# Allegro board SDHCalFEB20180110.brd (continued)
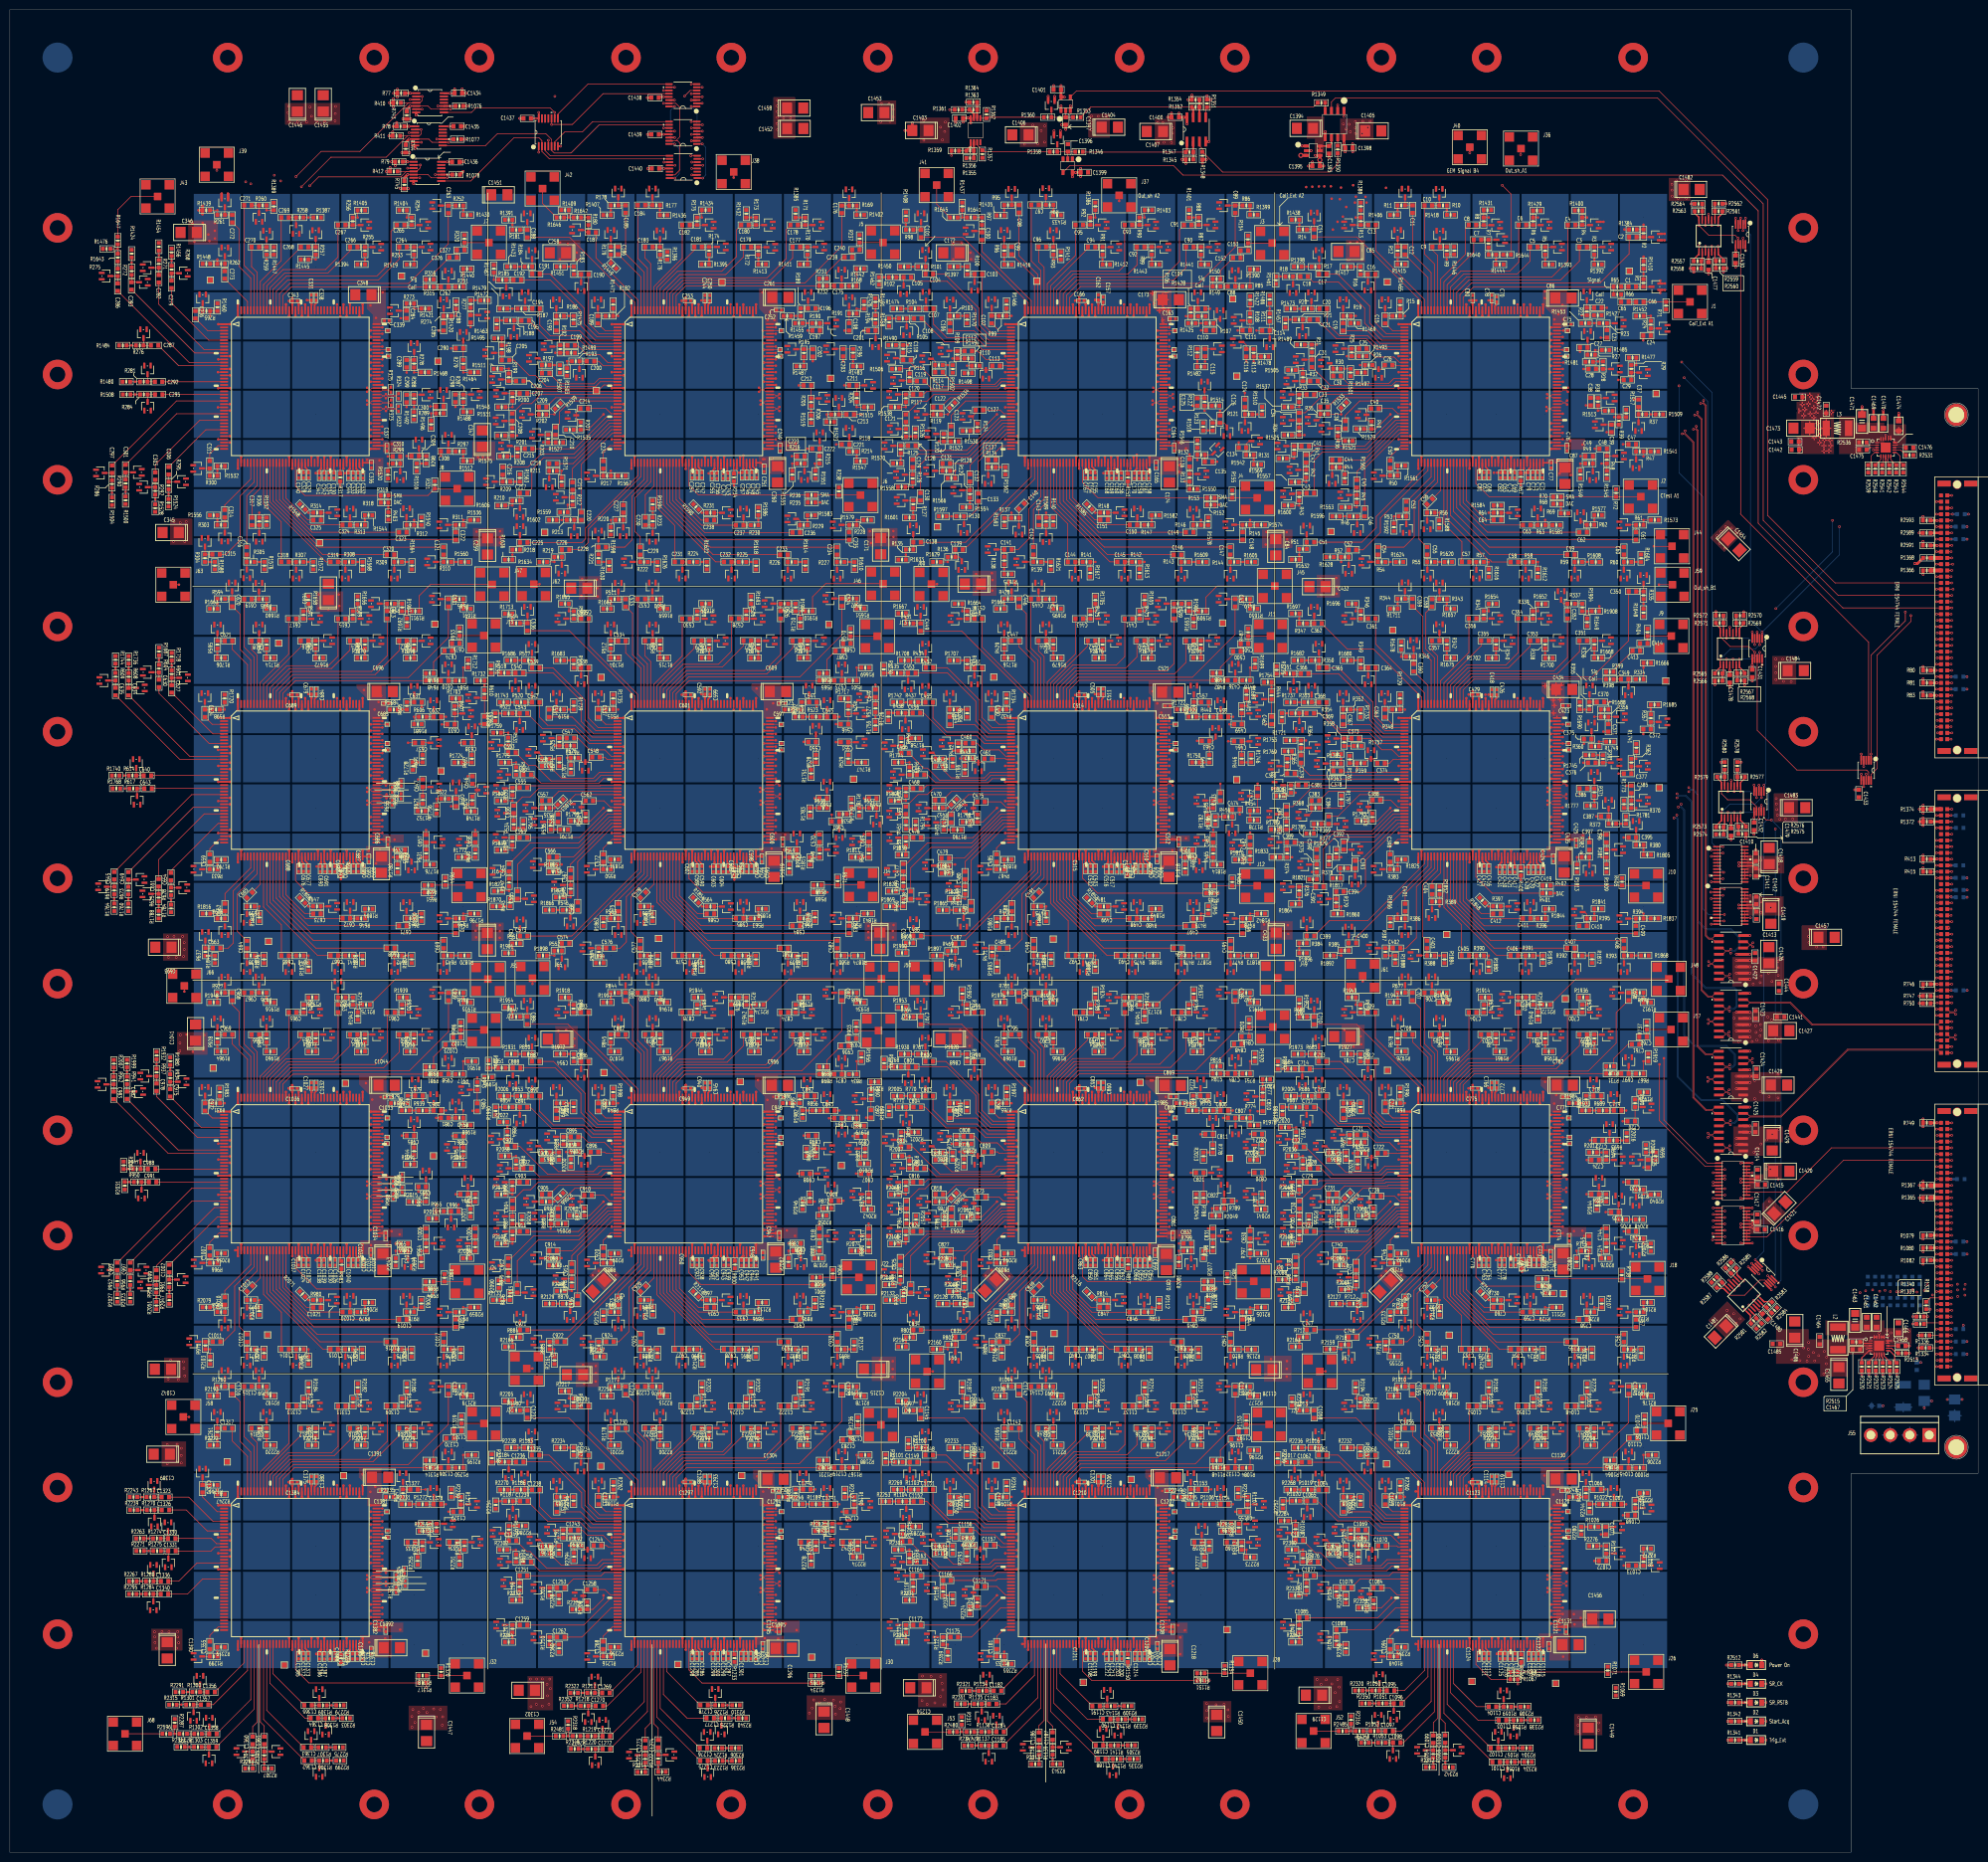
[diagram p0: board, top side]
## Routing (per net, layer and track width the routed paths; a pad name or vN(x,y) marks a point on that pad's centre or on a via; arc(x,y) is an arc through that point) (continued)
ANALOGIN22_ASIC_A2: length 45.2
  TOP w0.127: v1(244.07,313.65) C109.2 ; v1(204.76,304.67) U130.10
  GND1 w0.127: v1(244.07,313.65) v2(243.33,313.65) ; v1(204.76,304.67) v2(205.5,304.67)
  SIG3 w0.127: v2(205.5,304.67) 211.37,310.54 240.22,310.54 v2(243.33,313.65)
ANALOGIN22_ASIC_A3: length 45.9
  TOP w0.127: C196.2 v1(164.8,313.73) ; v1(124.75,304.67) U195.10
  GND1 w0.127: v1(164.8,313.73) v2(164.06,313.73) ; v1(124.75,304.67) v2(125.49,304.67)
  SIG3 w0.127: v2(125.49,304.67) 131.31,310.49 146.46,310.49 149.69,313.73 v2(164.06,313.73)
ANALOGIN22_ASIC_A4: length 24.1
  TOP w0.127: U260.10 37.61,304.67 C283.2
ANALOGIN22_ASIC_B1: length 46.6
  TOP w0.127: C370.2 v1(325.33,233.75) ; v1(284.77,224.66) U325.10
  GND1 w0.127: v1(284.77,224.66) v2(285.51,224.66) ; v1(325.33,233.75) v2(324.59,233.75)
  SIG3 w0.127: v2(285.51,224.66) 291.72,230.86 319.94,230.86 322.83,233.75 v2(324.59,233.75)
ANALOGIN22_ASIC_B5: length 44.5
  TOP w0.127: v1(204.77,224.66) 203.58,224.66 U390.10 ; C457.2 v1(243.79,232.82)
  GND1 w0.127: v1(204.77,224.66) v2(205.51,224.66) ; v1(243.79,232.82) v2(243.05,232.82)
  SIG3 w0.127: v2(243.05,232.82) 241.91,232.82 240.51,231.42 228.37,231.42 221.61,224.66 v2(205.51,224.66)
ANALOGIN22_ASIC_B6: length 44.8
  TOP w0.127: C544.2 v1(164.06,232.77) ; U455.10 123.57,224.66 v1(124.75,224.66)
  GND1 w0.127: v1(124.75,224.66) v2(125.49,224.66) ; v1(164.06,232.77) v2(163.32,232.77)
  SIG3 w0.127: v2(125.49,224.66) 137.71,224.66 144.35,231.29 160.5,231.29 161.98,232.77 v2(163.32,232.77)
ANALOGIN22_ASIC_B7: length 44.5
  TOP w0.127: v1(44.74,224.66) U520.10 ; C631.2 v1(83.74,232.74)
  GND1 w0.127: v2(83.01,232.74) v1(83.74,232.74) ; v1(44.74,224.66) v2(45.48,224.66)
  SIG3 w0.127: v2(83.01,232.74) 82.96,232.69 81.61,232.69 80.26,231.34 64.97,231.34 58.29,224.66 v2(45.48,224.66)
ANALOGIN22_ASIC_C1: length 44.3
  TOP w0.127: v1(284.78,144.65) U585.10 ; C718.2 v1(323.55,152.76)
  GND1 w0.127: v1(323.55,152.76) v2(322.81,152.76) ; v2(285.51,144.65) v1(284.78,144.65)
  SIG3 w0.127: v2(285.51,144.65) 301.62,144.65 308.33,151.36 320.09,151.36 321.49,152.76 v2(322.81,152.76)
ANALOGIN22_ASIC_C2: length 44.4
  TOP w0.127: v1(204.76,144.65) U650.10 ; C805.2 v1(243.64,152.68)
  GND1 w0.127: v1(243.64,152.68) v2(242.95,152.68) ; v1(204.76,144.65) v2(205.5,144.65)
  SIG3 w0.127: v2(205.5,144.65) 217.7,144.65 224.36,151.31 240.41,151.31 241.78,152.68 v2(242.95,152.68)
ANALOGIN22_ASIC_C3: length 44.4
  TOP w0.127: C892.2 v1(163.65,152.76) ; v1(124.75,144.65) U715.10
  GND1 w0.127: v1(163.65,152.76) v2(162.89,152.76) ; v1(124.75,144.65) v2(125.49,144.65)
  SIG3 w0.127: v2(162.89,152.76) 161.82,152.76 160.5,151.43 146.33,151.43 139.54,144.65 v2(125.49,144.65)
ANALOGIN22_ASIC_C4: length 44.7
  TOP w0.127: C979.2 v1(83.95,152.78) ; v1(44.74,144.65) U780.10
  GND1 w0.127: v2(45.48,144.65) v1(44.74,144.65) ; v2(83.21,152.78) v1(83.95,152.78)
  SIG3 w0.127: v2(45.48,144.65) 60.02,144.65 66.75,151.38 80.95,151.38 82.35,152.78 v2(83.21,152.78)
ANALOGIN22_ASIC_D1: length 45.6
  TOP w0.127: v1(284.78,64.64) U845.10 ; C1066.2 v1(324.49,73.72)
  GND1 w0.127: v2(285.51,64.64) v1(284.78,64.64) ; v1(324.49,73.72) v2(323.75,73.72)
  SIG3 w0.127: v2(323.75,73.72) 322.69,73.72 320.27,71.3 315.04,71.3 312.93,69.19 290.06,69.19 v2(285.51,64.64)
ANALOGIN22_ASIC_D2: length 45.6
  TOP w0.127: v1(204.76,64.64) U910.10 ; C1153.2 v1(244.28,73.72)
  GND1 w0.127: v1(244.28,73.72) v2(243.19,73.72) ; v1(204.76,64.64) v2(205.5,64.64)
  SIG3 w0.127: v2(243.19,73.72) 242.46,73.72 240.18,71.45 235.59,71.45 234.05,69.92 211.36,69.92 206.08,64.64 v2(205.5,64.64)
ANALOGIN22_ASIC_D3: length 45.1
  TOP w0.127: v1(124.75,64.64) U975.10 ; C1240.2 v1(163.78,73.72)
  GND1 w0.127: v1(163.78,73.72) v2(163.04,73.72) ; v1(124.75,64.64) v2(125.49,64.64)
  SIG3 w0.127: v2(163.04,73.72) 162.66,73.34 162.66,73.16 162.61,73.11 162.61,73.08 160.91,71.37 155.4,71.37 153.94,69.92 130.77,69.92 v2(125.49,64.64)
ANALOGIN22_ASIC_D4: length 46.2
  TOP w0.127: C1327.2 v1(84.5,73.71) ; v1(44.74,64.64) U1040.10
  GND1 w0.127: v1(44.74,64.64) v2(45.48,64.64) ; v1(84.5,73.71) v2(83.03,73.71)
  SIG3 w0.127: v2(83.03,73.71) 82.14,73.71 79.91,71.48 74.73,71.48 73.13,69.88 50.72,69.88 v2(45.48,64.64)
ANALOGIN23_ASIC_A1: length 45.7
  TOP w0.127: C23.2 v1(323.51,307.78) ; v1(282.41,304.02) U65.11
  GND1 w0.127: v1(323.51,307.78) v2(322.75,307.78) ; v2(283.15,304.02) v1(282.41,304.02)
  SIG3 w0.127: v2(283.15,304.02) 286.32,304.02 290.25,307.95 314.07,307.95 314.76,307.26 322.22,307.26 v2(322.75,307.78)
ANALOGIN23_ASIC_A2: length 46.1
  TOP w0.127: C110.2 v1(242.24,309.26) ; v1(202.4,304.02) U130.11
  GND1 w0.127: v2(201.66,304.02) v1(202.4,304.02) ; v2(241.5,309.26) v1(242.24,309.26)
  SIG3 w0.127: v2(241.5,309.26) 234.73,309.26 234.2,309.79 230.24,309.79 229.7,309.26 211.62,309.26 206.38,304.02 v2(201.66,304.02)
ANALOGIN23_ASIC_A3: length 45.6
  TOP w0.127: v1(122.39,304.02) U195.11 ; C197.2 v1(162.23,309.23)
  GND1 w0.127: v1(162.23,309.23) v2(161.49,309.23) ; v2(121.65,304.02) v1(122.39,304.02)
  SIG3 w0.127: v2(161.49,309.23) 154.65,309.23 153.97,308.56 132.03,308.56 127.49,304.02 v2(121.65,304.02)
ANALOGIN23_ASIC_A4: length 40.7
  TOP w0.127: v1(44.74,304.02) U260.11 ; C284.2 v1(79.48,311.73)
  GND1 w0.127: v2(45.49,304.01) 44.75,304.01 v1(44.74,304.02) ; v1(79.48,311.73) v2(79.48,311.05)
  SIG3 w0.127: v2(45.49,304.01) 49.3,307.82 69.88,307.82 73.1,311.05 v2(79.48,311.05)
ANALOGIN23_ASIC_B1: length 47
  TOP w0.127: v1(282.41,224.01) U325.11 ; C371.2 v1(324.05,227.71)
  GND1 w0.127: v1(282.41,224.01) 282.82,224.01 282.85,224.04 v2(283.15,224.04) ; v1(324.05,227.71) v2(324.05,228.45)
  SIG3 w0.127: v2(283.15,224.04) 286.8,224.04 291.97,229.21 314.73,229.21 315.36,228.57 323.93,228.57 v2(324.05,228.45)
ANALOGIN23_ASIC_B5: length 51.3
  TOP w0.127: v1(202.4,224.01) 203.58,224.01 U390.11 ; C458.2 v1(248.74,230.73)
  GND1 w0.127: v1(248.74,230.73) v2(248.01,230.73) ; v1(202.4,224.01) v2(203.14,224.01)
  SIG3 w0.127: v2(203.14,224.01) 222.92,224.01 228.78,229.87 234.85,229.87 235.71,230.73 v2(248.01,230.73)
ANALOGIN23_ASIC_B6: length 51.2
  TOP w0.127: U455.11 123.57,224.01 v1(122.39,224.01) ; C545.2 v1(168.68,230.73)
  GND1 w0.127: v1(122.39,224.01) v2(123.13,224.01) ; v1(168.68,230.73) v2(167.94,230.73)
  SIG3 w0.127: v2(167.94,230.73) 145.56,230.73 138.84,224.01 v2(123.13,224.01)
ANALOGIN23_ASIC_B7: length 51.3
  TOP w0.127: v1(42.34,224.01) U520.11 ; v1(88.67,230.73) C632.2
  GND1 w0.127: v1(88.67,230.73) v2(87.93,230.73) ; v2(43.08,224.01) v1(42.34,224.01)
  SIG3 w0.127: v2(43.08,224.01) 60.23,224.01 66.95,230.73 v2(87.93,230.73)
ANALOGIN23_ASIC_C1: length 51.2
  TOP w0.127: v1(282.41,144) U585.11 ; v1(328.68,150.72) C719.2
  GND1 w0.127: v1(282.41,144) v2(283.15,144) ; v1(328.68,150.72) v2(327.94,150.72)
  SIG3 w0.127: v2(283.15,144) 302.95,144 309.67,150.72 v2(327.94,150.72)
ANALOGIN23_ASIC_C2: length 51.2
  TOP w0.127: C806.2 v1(248.67,150.72) ; v1(202.4,144) U650.11
  GND1 w0.127: v1(202.4,144) v2(203.14,144) ; v1(248.67,150.72) v2(247.93,150.72)
  SIG3 w0.127: v2(203.14,144) 218.45,144 225.17,150.72 v2(247.93,150.72)
ANALOGIN23_ASIC_C3: length 51.2
  TOP w0.127: v1(122.39,144) U715.11 ; C893.2 v1(168.68,150.72)
  GND1 w0.127: v1(168.68,150.72) v2(167.72,150.72) ; v1(122.39,144) v2(123.13,144)
  SIG3 w0.127: v2(123.13,144) 140.09,144 145.95,149.86 154.31,149.86 155.17,150.72 v2(167.72,150.72)
ANALOGIN23_ASIC_C4: length 51.2
  TOP w0.127: C980.2 v1(88.67,150.72) ; v1(42.38,144) U780.11
  GND1 w0.127: v1(42.38,144) v2(43.12,144) ; v1(88.67,150.72) v2(87.93,150.72)
  SIG3 w0.127: v2(43.12,144) 60.51,144 66.32,149.81 73.69,149.81 74.6,150.72 v2(87.93,150.72)
ANALOGIN23_ASIC_D1: length 51.2
  TOP w0.127: v1(282.41,63.99) U845.11 ; C1067.2 v1(328.68,70.7)
  GND1 w0.127: v1(328.68,70.7) v2(327.94,70.7) ; v1(282.41,63.99) v2(283.15,63.99)
  SIG3 w0.127: v2(283.15,63.99) 285.88,63.99 289.87,67.97 312.44,67.97 312.44,67.97 312.91,67.97 312.92,67.97 314.02,67.97 315.85,69.8 327.04,69.8 v2(327.94,70.7)
ANALOGIN23_ASIC_D2: length 51.2
  TOP w0.127: v1(202.4,63.99) U910.11 ; C1154.2 v1(248.69,70.7)
  GND1 w0.127: v1(248.69,70.7) v2(247.95,70.7) ; v2(203.14,63.99) v1(202.4,63.99)
  SIG3 w0.127: v2(203.14,63.99) 206.66,63.99 211.23,68.55 234.11,68.55 236.26,70.7 v2(247.95,70.7)
ANALOGIN23_ASIC_D3: length 51.2
  TOP w0.127: v1(122.39,63.99) U975.11 ; C1241.2 v1(168.66,70.7)
  GND1 w0.127: v2(123.13,63.99) v1(122.39,63.99) ; v1(168.66,70.7) v2(167.92,70.7)
  SIG3 w0.127: v2(123.13,63.99) 126.02,63.99 130.53,68.5 153.64,68.5 155.84,70.7 v2(167.92,70.7)
ANALOGIN23_ASIC_D4: length 51.2
  TOP w0.127: v1(42.38,63.99) U1040.11 ; C1328.2 v1(88.65,70.71)
  GND1 w0.127: v2(43.12,63.99) v1(42.38,63.99) ; v1(88.65,70.71) v2(87.91,70.71)
  SIG3 w0.127: v2(43.12,63.99) 45.95,63.99 50.52,68.55 73.36,68.55 75.51,70.71 v2(87.91,70.71)
ANALOGIN24_ASIC_A1: length 51.6
  TOP w0.127: C24.2 v1(332.14,307.24) ; v1(284.77,303.37) U65.12
  GND1 w0.127: v2(285.51,303.37) v1(284.77,303.37) ; v1(332.14,307.24) v2(331.41,307.24)
  SIG3 w0.127: v2(331.41,307.24) 326.85,307.24 325.6,305.99 315.29,305.99 314.74,306.54 290.26,306.54 287.09,303.37 v2(285.51,303.37)
ANALOGIN24_ASIC_A2: length 49.5
  TOP w0.127: v1(204.76,303.37) U130.12 ; v1(249.68,309.25) 250.66,309.25 C111.2
  GND1 w0.127: v1(204.76,303.37) v2(205.5,303.37) ; v2(248.95,309.25) v1(249.68,309.25)
  SIG3 w0.127: v2(205.5,303.37) 207.81,303.37 211.73,307.29 234.44,307.29 235.08,307.92 247.62,307.92 v2(248.95,309.25)
ANALOGIN24_ASIC_A3: length 49.5
  TOP w0.127: C198.2 v1(169.72,309.22) ; v1(124.75,303.37) U195.12
  GND1 w0.127: v2(125.49,303.37) v1(124.75,303.37) ; v1(169.72,309.22) v2(168.99,309.22)
  SIG3 w0.127: v2(168.99,309.22) 167.69,307.92 154.97,307.92 154.33,307.29 133.76,307.29 129.84,303.37 v2(125.49,303.37)
ANALOGIN24_ASIC_A4: length 50.9
  TOP w0.127: v1(87.22,309.22) C285.2 ; U260.12 v1(42.38,303.37)
  GND1 w0.127: v2(41.64,303.37) v1(42.38,303.37) ; v1(87.22,309.22) v2(86.49,309.22)
  SIG3 w0.127: v2(86.49,309.22) 85.22,307.95 74.12,307.95 69.54,303.37 v2(41.64,303.37)
ANALOGIN24_ASIC_B1: length 52.2
  TOP w0.127: C372.2 v1(332.16,227.23) ; v1(284.77,223.36) U325.12
  GND1 w0.127: v1(284.77,223.36) v2(285.51,223.36) ; v1(332.16,227.23) v2(332.16,226.49)
  SIG3 w0.127: v2(285.51,223.36) 288.69,223.36 291.95,226.62 314.3,226.62 314.93,227.25 331.39,227.25 v2(332.16,226.49)
ANALOGIN24_ASIC_B5: length 47.8
  TOP w0.127: C459.2 v1(248.01,229.21) ; v1(204.77,223.36) U390.12
  GND1 w0.127: v2(205.51,223.36) v1(204.77,223.36) ; v1(248.01,229.21) v2(247.27,229.21)
  SIG3 w0.127: v2(205.51,223.36) 225.44,223.36 229.36,227.28 233.73,227.28 235.67,229.21 v2(247.27,229.21)
ANALOGIN24_ASIC_B6: length 47.8
  TOP w0.127: v1(124.75,223.36) U455.12 ; C546.2 v1(168,229.24)
  GND1 w0.127: v1(168,229.24) v2(167.26,229.24) ; v1(124.75,223.36) v2(125.49,223.36)
  SIG3 w0.127: v2(125.49,223.36) 140.28,223.36 145.47,228.55 153.92,228.55 154.61,229.24 v2(167.26,229.24)
ANALOGIN24_ASIC_B7: length 47.8
  TOP w0.127: v1(44.74,223.36) U520.12 ; C633.2 v1(87.86,229.19)
  GND1 w0.127: v2(45.48,223.36) v1(44.74,223.36) ; v1(87.86,229.19) v2(87.13,229.19)
  SIG3 w0.127: v2(87.13,229.19) 74.5,229.19 73.89,228.57 68.12,228.57 62.91,223.36 v2(45.48,223.36)
ANALOGIN24_ASIC_C1: length 47.5
  TOP w0.127: v1(327.96,148.54) C720.2 ; v1(284.78,143.35) U585.12
  GND1 w0.127: v2(285.51,143.35) v1(284.78,143.35) ; v1(327.96,148.54) v2(327.23,148.54)
  SIG3 w0.127: v2(285.51,143.35) 304.82,143.35 309.37,147.9 314.81,147.9 315.45,148.54 v2(327.23,148.54)
ANALOGIN24_ASIC_C2: length 46.5
  TOP w0.127: v1(204.76,143.35) U650.12 ; v1(246.71,149.2) C807.2
  GND1 w0.127: v1(204.76,143.35) v2(205.5,143.35) ; v1(246.71,149.2) v2(245.97,149.2)
  SIG3 w0.127: v2(205.5,143.35) 219.55,143.35 224.74,148.54 234.04,148.54 234.7,149.2 245.42,149.2 245.43,149.2 v2(245.97,149.2)
ANALOGIN24_ASIC_C3: length 46.5
  TOP w0.127: C894.2 v1(166.58,149.15) ; v1(124.75,143.35) U715.12
  GND1 w0.127: v2(125.49,143.35) v1(124.75,143.35) ; v1(166.58,149.15) v2(165.59,149.15)
  SIG3 w0.127: v2(165.59,149.15) 154.36,149.15 153.75,148.54 146.76,148.54 141.57,143.35 v2(125.49,143.35)
ANALOGIN24_ASIC_C4: length 46.5
  TOP w0.127: v1(44.74,143.35) U780.12 ; C981.2 v1(86.69,149.23)
  GND1 w0.127: v1(44.74,143.35) v2(45.48,143.35) ; v1(86.69,149.23) v2(85.95,149.23)
  SIG3 w0.127: v2(85.95,149.23) 74.78,149.23 74.07,148.51 66.7,148.51 61.54,143.35 v2(45.48,143.35)
ANALOGIN24_ASIC_D1: length 49
  TOP w0.127: v1(284.78,63.34) U845.12 ; C1068.2 v1(328.02,68.47)
  GND1 w0.127: v1(328.02,68.47) v2(328.75,68.47) ; v2(285.51,63.34) v1(284.78,63.34)
  SIG3 w0.127: v2(285.51,63.34) 286.28,63.34 289.48,66.55 314.27,66.55 316.19,68.47 v2(328.75,68.47)
ANALOGIN24_ASIC_D2: length 49
  TOP w0.127: C1155.2 v1(249.2,69.18) ; v1(204.76,63.34) U910.12
  GND1 w0.127: v2(205.5,63.34) v1(204.76,63.34) ; v1(249.2,69.18) v2(248.46,69.18)
  SIG3 w0.127: v2(248.46,69.18) 236.16,69.18 234.19,67.21 210.64,67.21 206.77,63.34 v2(205.5,63.34)
ANALOGIN24_ASIC_D3: length 49
  TOP w0.127: C1242.2 v1(169.19,69.18) ; v1(124.75,63.34) U975.12
  GND1 w0.127: v2(125.49,63.34) v1(124.75,63.34) ; v1(169.19,69.18) v2(168.45,69.18)
  SIG3 w0.127: v2(168.45,69.18) 155.64,69.18 153.7,67.23 130.43,67.23 126.53,63.34 v2(125.49,63.34)
ANALOGIN24_ASIC_D4: length 49
  TOP w0.127: v1(44.74,63.34) U1040.12 ; C1329.2 v1(89.2,69.19)
  GND1 w0.127: v2(45.48,63.34) v1(44.74,63.34) ; v1(89.2,69.19) v2(88.47,69.19)
  SIG3 w0.127: v2(88.47,69.19) 75.54,69.19 73.58,67.23 50.67,67.23 46.78,63.34 v2(45.48,63.34)
ANALOGIN25_ASIC_A1: length 8.9
  TOP w0.127: U65.13 282.6,302.72 281.49,303.83 277.56,303.83 275.88,305.52 C25.2
ANALOGIN25_ASIC_A2: length 8.9
  TOP w0.127: U130.13 202.95,302.72 202.31,303.35 198.48,303.35 196.76,305.07 C112.2
ANALOGIN25_ASIC_A3: length 10.1
  TOP w0.127: U195.13 121.59,302.72 119.96,304.34 117.37,304.34 115.51,306.21 C199.2
ANALOGIN25_ASIC_A4: length 27.7
  TOP w0.127: C286.2 36.48,302.72 U260.13
ANALOGIN25_ASIC_B1: length 10.7
  TOP w0.127: C373.2 276.69,226.34 278.99,224.03 281.08,224.03 282.39,222.71 U325.13
ANALOGIN25_ASIC_B5: length 8.8
  TOP w0.127: C460.2 196.68,225.37 198.04,224 201.19,224 202.49,222.71 203.58,222.71 U390.13
ANALOGIN25_ASIC_B6: length 10.3
  TOP w0.127: U455.13 123.57,222.71 122.3,222.71 121.01,224 117.91,224 115.5,226.41 C547.2
ANALOGIN25_ASIC_B7: length 24.5
  TOP w0.127: U520.13 36.56,222.71 24.19,235.08 C634.2
ANALOGIN25_ASIC_C1: length 9.4
  TOP w0.127: U585.13 282.06,142.7 280.57,144.2 277.8,144.2 276.23,145.77 C721.2
ANALOGIN25_ASIC_C2: length 9.2
  TOP w0.127: U650.13 202.23,142.7 200.79,144.15 197.56,144.15 196.24,145.46 C808.2
ANALOGIN25_ASIC_C3: length 9.1
  TOP w0.127: U715.13 122.45,142.7 120.9,144.25 117.6,144.25 116.49,145.36 C895.2
ANALOGIN25_ASIC_C4: length 24
  TOP w0.127: U780.13 34.22,142.7 23.86,153.06 C982.2
ANALOGIN25_ASIC_D1: length 9
  TOP w0.127: C1069.2 276.73,64.44 280.8,64.44 282.55,62.69 U845.13
ANALOGIN25_ASIC_D2: length 9.4
  TOP w0.127: U910.13 202.11,62.69 200.28,64.52 197.28,64.52 196.38,65.42 C1156.2
ANALOGIN25_ASIC_D3: length 9.2
  TOP w0.127: C1243.2 116.4,65.44 117.47,64.36 120.68,64.36 122.35,62.69 U975.13
ANALOGIN25_ASIC_D4: length 10.3
  TOP w0.127: U1040.13 42.03,62.69 40.97,63.75 C1330.2
ANALOGIN26_ASIC_A1: length 2.5
  TOP w0.127: U65.14 281.86,302.07 281.72,302.21 C26.2
ANALOGIN26_ASIC_A2: length 2.3
  TOP w0.127: C113.2 202.59,302.07 U130.14
ANALOGIN26_ASIC_A3: length 5.1
  TOP w0.127: C200.2 119.75,302.98 120.66,302.07 U195.14
ANALOGIN26_ASIC_A4: length 15.1
  TOP w0.127: U260.14 34.34,302.07 C287.2
ANALOGIN26_ASIC_B1: length 4.3
  TOP w0.127: U325.14 281.29,222.06 280.51,221.28 C374.2
ANALOGIN26_ASIC_B5: length 3.9
  TOP w0.127: U390.14 202.59,222.06 202.43,222.22 C461.2
ANALOGIN26_ASIC_B6: length 3.8
  TOP w0.127: U455.14 121.48,222.06 121.01,222.53 C548.2
ANALOGIN26_ASIC_B7: length 27.5
  TOP w0.127: C635.2 21.52,235.1 34.57,222.06 U520.14
ANALOGIN26_ASIC_C1: length 3.9
  TOP w0.127: U585.14 282.6,142.05 282.6,142.06 C722.2
ANALOGIN26_ASIC_C2: length 4
  TOP w0.127: U650.14 201.1,142.05 200.84,142.31 C809.2
ANALOGIN26_ASIC_C3: length 4
  TOP w0.127: U715.14 121.2,142.05 120.96,142.29 C896.2
ANALOGIN26_ASIC_C4: length 27
  TOP w0.127: C983.2 21.17,153.03 32.15,142.05 U780.14
ANALOGIN26_ASIC_D1: length 3.9
  TOP w0.127: U845.14 282.23,62.04 282.03,62.24 C1070.2
ANALOGIN26_ASIC_D2: length 3.6
  TOP w0.127: C1157.2 201.08,62.4 201.43,62.04 U910.14
ANALOGIN26_ASIC_D3: length 3.4
  TOP w0.127: C1244.2 121.35,62.32 121.63,62.04 U975.14
ANALOGIN26_ASIC_D4: length 10.2
  TOP w0.127: C1331.2 40.92,61.21 41.74,62.04 U1040.14
ANALOGIN27_ASIC_A1: length 39.3
  TOP w0.127: v1(284.77,301.42) 283.59,301.42 U65.15 ; C27.2 v1(319.29,304.95)
  GND1 w0.127: v1(319.29,304.95) v2(319.29,304.21) ; v2(285.51,301.42) v1(284.77,301.42)
  SIG3 w0.127: v2(285.51,301.42) 307.95,301.42 311.84,305.31 314.84,305.31 315.93,304.21 v2(319.29,304.21)
ANALOGIN27_ASIC_A2: length 56.8
  TOP w0.127: C114.2 v1(253.5,309.23) ; v1(204.8,301.42) U130.15
  GND1 w0.127: v1(253.5,309.23) v2(254.72,309.23) ; v2(205.54,301.42) v1(204.8,301.42)
  SIG3 w0.127: v2(205.54,301.42) 226.74,301.42 231.24,305.92 234.11,305.92 234.75,306.55 252.04,306.55 v2(254.72,309.23)
ANALOGIN27_ASIC_A3: length 54.2
  TOP w0.127: v1(124.75,301.42) U195.15 ; C201.2 v1(173.56,309.23)
  GND1 w0.127: v2(125.49,301.42) v1(124.75,301.42) ; v1(173.56,309.23) v2(172.82,309.23)
  SIG3 w0.127: v2(125.49,301.42) 145.03,301.42 149.58,305.97 154.31,305.97 155.03,306.7 170.29,306.7 v2(172.82,309.23)
ANALOGIN27_ASIC_A4: length 55.5
  TOP w0.127: C288.2 v1(93.69,309.93) ; v1(44.74,301.42) U260.15
  GND1 w0.127: v1(93.69,309.93) v2(93.69,309.19) ; v2(45.48,301.42) v1(44.74,301.42)
  SIG3 w0.127: v2(93.69,309.19) 90.86,309.19 84.46,302.8 76.1,302.8 74.12,300.81 47.17,300.81 46.56,301.42 v2(45.48,301.42)
ANALOGIN27_ASIC_B1: length 39.6
  TOP w0.127: C375.2 v1(320.09,225.27) ; v1(284.77,221.41) U325.15
  GND1 w0.127: v2(319.35,225.27) v1(320.09,225.27) ; v1(284.77,221.41) v2(285.51,221.41)
  SIG3 w0.127: v2(319.35,225.27) 318.67,225.96 314.76,225.96 314.1,225.3 311.81,225.3 307.92,221.41 v2(285.51,221.41)
ANALOGIN27_ASIC_B5: length 56.2
  TOP w0.127: C462.2 v1(255.42,229.24) ; v1(204.76,221.41) U390.15
  GND1 w0.127: v2(205.5,221.41) v1(204.76,221.41) ; v1(255.42,229.24) v2(254.69,229.24)
  SIG3 w0.127: v2(205.5,221.41) 225.78,221.41 230.33,225.96 233.96,225.96 235.92,227.91 253.37,227.91 v2(254.69,229.24)
ANALOGIN27_ASIC_B6: length 61.5
  TOP w0.127: C549.2 v1(176.03,237.24) ; v1(124.75,221.41) U455.15
  GND1 w0.127: v1(124.75,221.41) v2(125.49,221.41) ; v1(176.03,237.24) v2(176.03,236.5)
  SIG3 w0.127: v2(176.03,236.5) 176.03,234.7 173.1,231.78 171.2,231.78 167.36,227.94 155.02,227.94 154.36,227.28 148.44,227.28 142.57,221.41 v2(125.49,221.41)
ANALOGIN27_ASIC_B7: length 56.2
  TOP w0.127: v1(95.55,229.26) C636.2 ; v1(44.74,221.41) U520.15
  GND1 w0.127: v2(45.48,221.41) v1(44.74,221.41) ; v1(95.55,229.26) v2(94.82,229.26)
  SIG3 w0.127: v2(94.82,229.26) 91.24,229.26 88.52,226.54 74.52,226.54 74.51,226.53 74.31,226.53 73.69,225.91 67.64,225.91 63.14,221.41 v2(45.48,221.41)
ANALOGIN27_ASIC_C1: length 40.1
  TOP w0.127: C723.2 v1(321.34,144.66) ; v1(284.78,141.4) U585.15
  GND1 w0.127: v1(321.34,144.66) v2(320.6,144.66) ; v1(284.78,141.4) v2(285.51,141.4)
  SIG3 w0.127: v2(285.51,141.4) 306.96,141.4 309.58,144.02 314.53,144.02 314.53,144.02 314.71,144.02 315.35,144.66 v2(320.6,144.66)
ANALOGIN27_ASIC_C2: length 55
  TOP w0.127: C810.2 v1(253.75,150.57) ; v1(204.76,141.4) U650.15
  GND1 w0.127: v1(253.75,150.57) v2(253.01,150.57) ; v1(204.76,141.4) v2(205.5,141.4)
  SIG3 w0.127: v2(205.5,141.4) 222.83,141.4 228.76,147.33 234.12,147.33 234.61,147.82 236.74,147.82 236.76,147.8 250.24,147.8 v2(253.01,150.57)
ANALOGIN27_ASIC_C3: length 54.8
  TOP w0.127: v1(124.75,141.4) U715.15 ; C897.2 v1(174.14,149.28)
  GND1 w0.127: v1(174.14,149.28) v2(173.41,149.28) ; v2(125.49,141.4) v1(124.75,141.4)
  SIG3 w0.127: v2(125.49,141.4) 144.83,141.4 149.3,145.87 154,145.87 154.69,146.56 168.2,146.56 170.92,149.28 v2(173.41,149.28)
ANALOGIN27_ASIC_C4: length 55.3
  TOP w0.127: C984.2 v1(94.08,150.67) ; v1(44.74,141.4) U780.15
  GND1 w0.127: v1(44.74,141.4) v2(45.48,141.4) ; v1(94.08,150.67) v2(93.34,150.67)
  SIG3 w0.127: v2(93.34,150.67) 90.49,147.82 75.08,147.82 74.47,147.22 69.49,147.22 63.68,141.4 v2(45.48,141.4)
ANALOGIN27_ASIC_D1: length 42.3
  TOP w0.127: C1071.2 v1(323.55,64.58) ; v1(284.78,61.39) U845.15
  GND1 w0.127: v1(323.55,64.58) v2(322.81,64.58) ; v1(284.78,61.39) v2(285.51,61.39)
  SIG3 w0.127: v2(285.51,61.39) 314.58,61.39 315.26,62.08 320.3,62.08 v2(322.81,64.58)
ANALOGIN27_ASIC_D2: length 45.5
  TOP w0.127: C1158.2 246.04,66.74 v1(245.9,66.6) ; v1(204.76,61.39) U910.15
  GND1 w0.127: v2(205.5,61.39) v1(204.76,61.39) ; v1(245.9,66.6) v2(245.16,66.6)
  SIG3 w0.127: v2(245.16,66.6) 234.77,66.6 234.19,66.01 231.98,66.01 227.35,61.39 v2(205.5,61.39)
ANALOGIN27_ASIC_D3: length 42.9
  TOP w0.127: C1245.2 v1(163.25,66.79) ; v1(124.75,61.39) U975.15
  GND1 w0.127: v2(125.49,61.39) 125.45,61.39 124.76,61.39 v1(124.75,61.39) ; v1(163.25,66.79) v2(162.72,66.27)
  SIG3 w0.127: v2(125.49,61.39) 144.7,61.39 146.71,63.4 152.32,63.4 154.23,65.3 161.76,65.3 v2(162.72,66.27)
ANALOGIN27_ASIC_D4: length 42.4
  TOP w0.127: v1(44.74,61.39) U1040.15 ; C1332.2 v1(82.73,66.76)
  GND1 w0.127: v1(44.74,61.39) v2(45.48,61.39) ; v1(82.73,66.76) 82.3,66.76 82.16,66.61 v2(82.01,66.61)
  SIG3 w0.127: v2(45.48,61.39) 66.32,61.39 70.87,65.94 73.18,65.94 73.85,66.61 v2(82.01,66.61)
ANALOGIN28_ASIC_A1: length 42.1
  TOP w0.127: v1(282.41,300.77) U65.16 ; C28.2 v1(319.99,301.42)
  GND1 w0.127: v1(319.99,301.42) v2(319.26,301.42) ; v2(281.67,300.77) v1(282.41,300.77)
  SIG3 w0.127: v2(281.67,300.77) 311.8,300.77 312.47,300.1 315.39,300.1 316.71,301.42 v2(319.26,301.42)
ANALOGIN28_ASIC_A2: length 44.2
  TOP w0.127: C115.2 v1(243.04,302.92) ; v1(202.4,300.77) U130.16
  GND1 w0.127: v1(243.04,302.92) v2(243.04,302.18) ; v2(203.14,300.77) v1(202.4,300.77)
  SIG3 w0.127: v2(243.04,302.18) 242.3,301.45 234.87,301.45 234.2,300.77 v2(203.14,300.77)
ANALOGIN28_ASIC_A3: length 45.8
  TOP w0.127: C202.2 v1(163.28,303.01) ; v1(122.39,300.77) U195.16
  GND1 w0.127: v2(121.65,300.77) v1(122.39,300.77) ; v1(163.28,303.01) v2(163.28,302.27)
  SIG3 w0.127: v2(163.28,302.27) 162.43,301.42 154.71,301.42 154.06,300.77 v2(121.65,300.77)
ANALOGIN28_ASIC_A4: length 42.7
  TOP w0.127: C289.2 v1(80.68,300.7) ; v1(42.32,300.77) U260.16
  GND1 w0.127: v2(43.05,300.77) v1(42.32,300.77) ; v1(80.68,300.7) v2(80.68,301.43)
  SIG3 w0.127: v2(80.68,301.43) 75.86,301.43 73.91,299.49 47.32,299.49 46.04,300.77 v2(43.05,300.77)
ANALOGIN28_ASIC_B1: length 40.4
  TOP w0.127: v1(282.41,220.76) U325.16 ; C376.2 v1(319.96,221.39)
  GND1 w0.127: v1(282.41,220.76) v2(283.15,220.76) ; v1(319.96,221.39) v2(319.23,221.39)
  SIG3 w0.127: v2(319.23,221.39) 318.6,220.76 315.76,220.76 315.18,220.19 309.38,220.19 308.81,220.76 v2(283.15,220.76)
ANALOGIN28_ASIC_B5: length 43.3
  TOP w0.127: v1(202.4,220.76) U390.16 ; C463.2 v1(241.43,225.84)
  GND1 w0.127: v2(203.14,220.76) v1(202.4,220.76) ; v1(241.43,225.84) v2(240.69,225.84)
  SIG3 w0.127: v2(203.14,220.76) 231.38,220.76 235.85,225.23 240.09,225.23 v2(240.69,225.84)
ANALOGIN28_ASIC_B6: length 43.2
  TOP w0.127: v1(122.39,220.76) U455.16 ; C550.2 v1(161.42,225.63)
  GND1 w0.127: v1(161.42,225.63) v2(160.68,225.63) ; v1(122.39,220.76) v2(123.13,220.76)
  SIG3 w0.127: v2(160.68,225.63) 160.3,225.25 154.31,225.25 153.77,224.71 148.54,224.71 144.58,220.76 v2(123.13,220.76)
ANALOGIN28_ASIC_B7: length 43.1
  TOP w0.127: C637.2 v1(80.98,225.45) ; v1(42.38,220.76) U520.16
  GND1 w0.127: v1(80.98,225.45) v2(80.24,225.45) ; v1(42.38,220.76) v2(43.12,220.76)
  SIG3 w0.127: v2(43.12,220.76) 67.6,220.76 71.48,224.64 74.4,224.64 75.21,225.45 v2(80.24,225.45)
ANALOGIN28_ASIC_C1: length 41
  TOP w0.127: v1(282.41,140.75) U585.16 ; C724.2 v1(320.65,140.67)
  GND1 w0.127: v2(283.15,140.75) v1(282.41,140.75) ; v1(320.65,140.67) 320.19,140.67 320.09,140.76 v2(319.92,140.76)
  SIG3 w0.127: v2(283.15,140.75) 310.81,140.75 311.45,140.11 315.16,140.11 315.82,140.76 v2(319.92,140.76)
ANALOGIN28_ASIC_C2: length 45.5
  TOP w0.127: C811.2 v1(242.12,145.9) ; v1(202.4,140.75) U650.16
  GND1 w0.127: v1(242.12,145.9) v2(241.38,145.9) ; v2(201.67,140.75) v1(202.4,140.75)
  SIG3 w0.127: v2(241.38,145.9) 238.15,142.67 235.46,142.67 234.76,141.97 232.43,141.97 231.21,140.75 v2(201.67,140.75)
ANALOGIN28_ASIC_C3: length 43.2
  TOP w0.127: C898.2 v1(161.44,145.62) ; v1(122.39,140.75) U715.16
  GND1 w0.127: v2(123.13,140.75) v1(122.39,140.75) ; v1(161.44,145.62) v2(160.71,145.62)
  SIG3 w0.127: v2(123.13,140.75) 145.5,140.75 149.4,144.65 153.85,144.65 154.48,145.29 159.38,145.29 159.72,145.62 v2(160.71,145.62)
ANALOGIN28_ASIC_C4: length 41.5
  TOP w0.127: v1(42.38,140.75) U780.16 ; C985.2 v1(79.71,145.62)
  GND1 w0.127: v1(79.71,145.62) v2(78.97,145.62) ; v2(43.12,140.75) v1(42.38,140.75)
  SIG3 w0.127: v2(78.97,145.62) 78.71,145.36 74.57,145.36 73.86,144.65 69.24,144.65 65.34,140.75 v2(43.12,140.75)
